# Altium PCB INCUBA 1.3.PcbDoc
Units mm, origin at the board's own origin, x right, y up, seen from the top; angles counter-clockwise.
Board outline 82 x 73 mm, 2 copper layers (Top Layer, Bottom Layer); 83 components, 59 nets, 248 pads, 20 vias.
Unrouted connection lines stored in the file: 2.
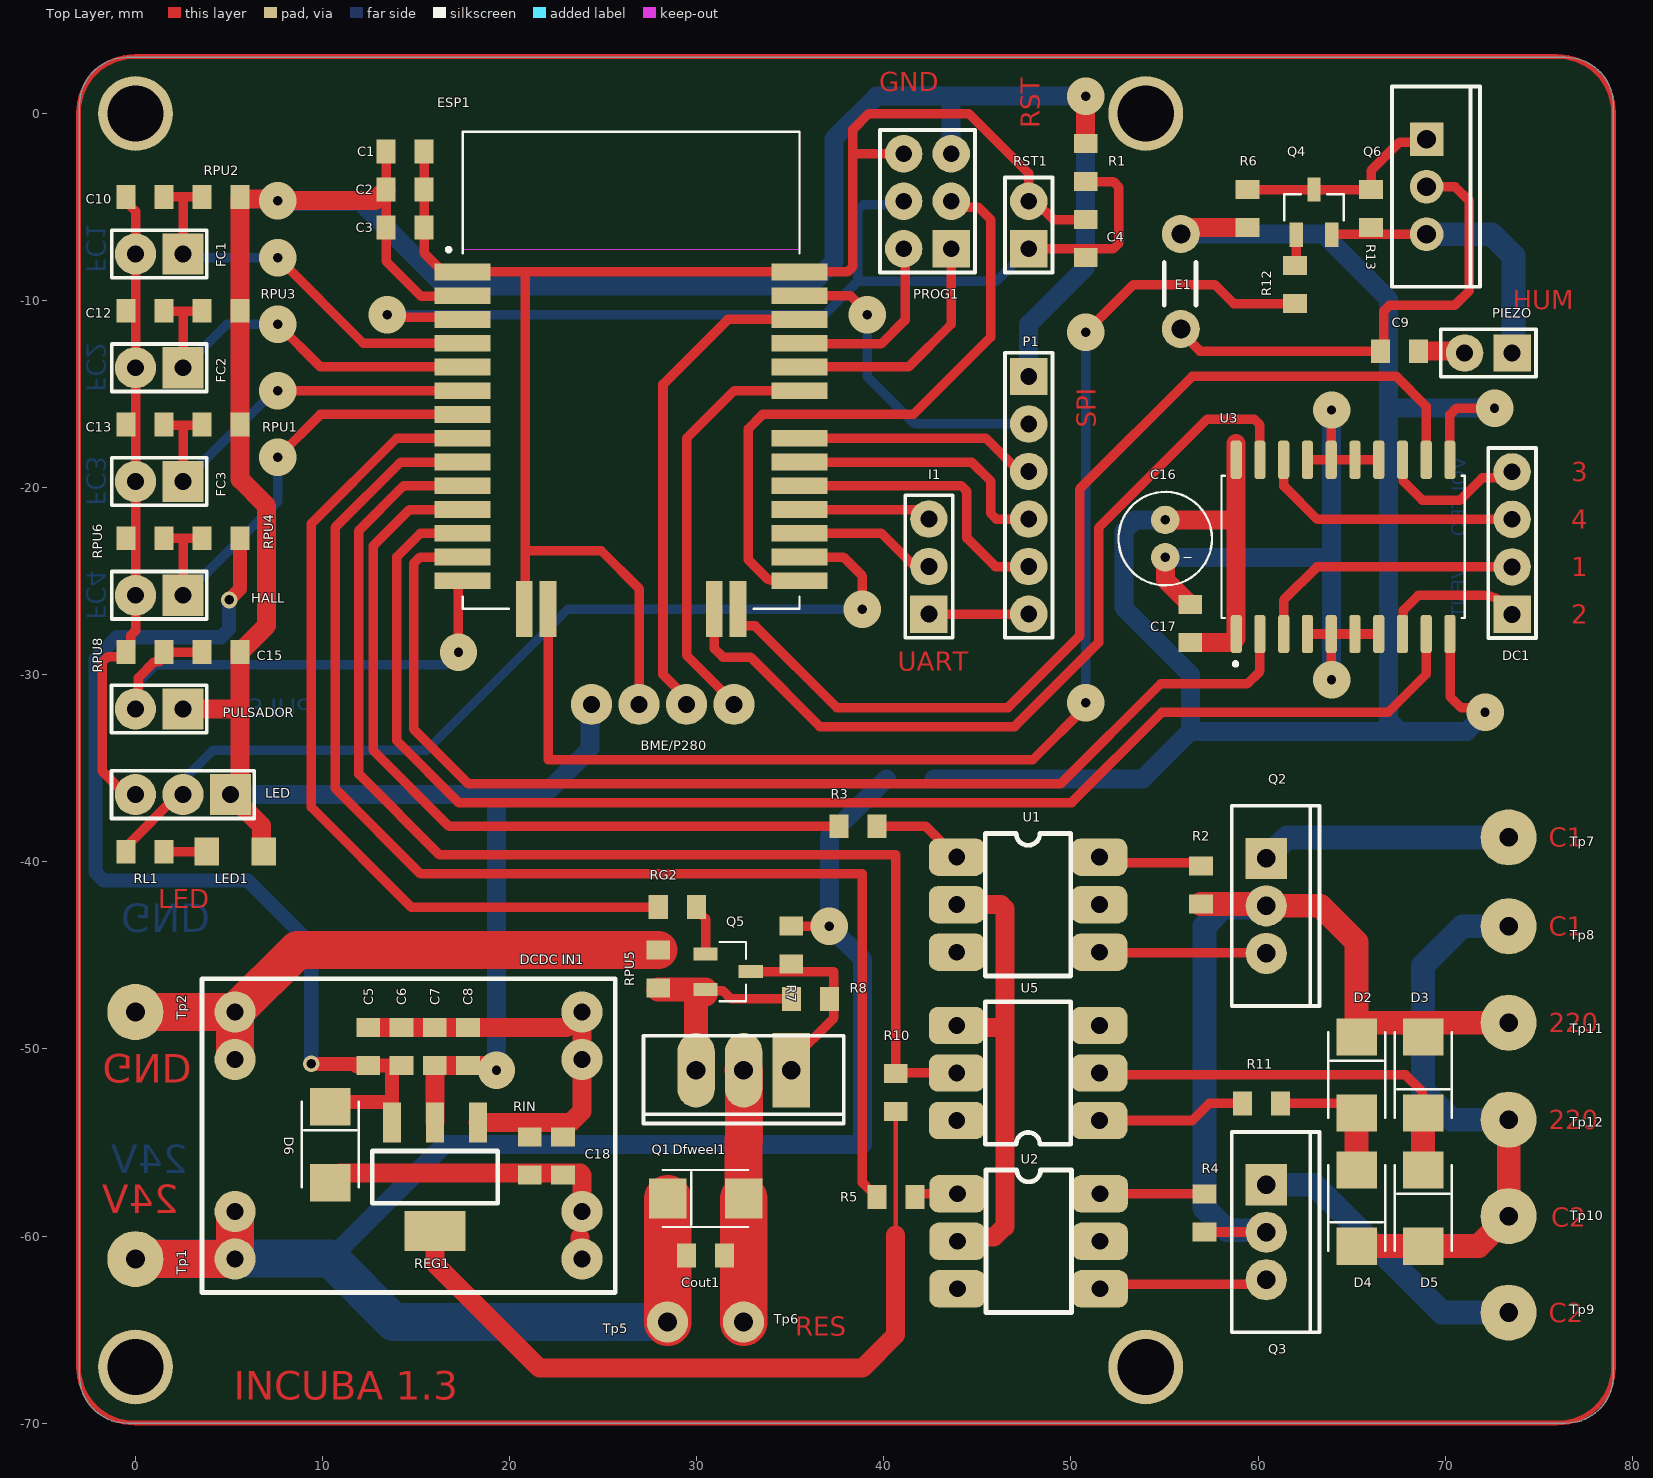
[diagram p0: Top Layer view]
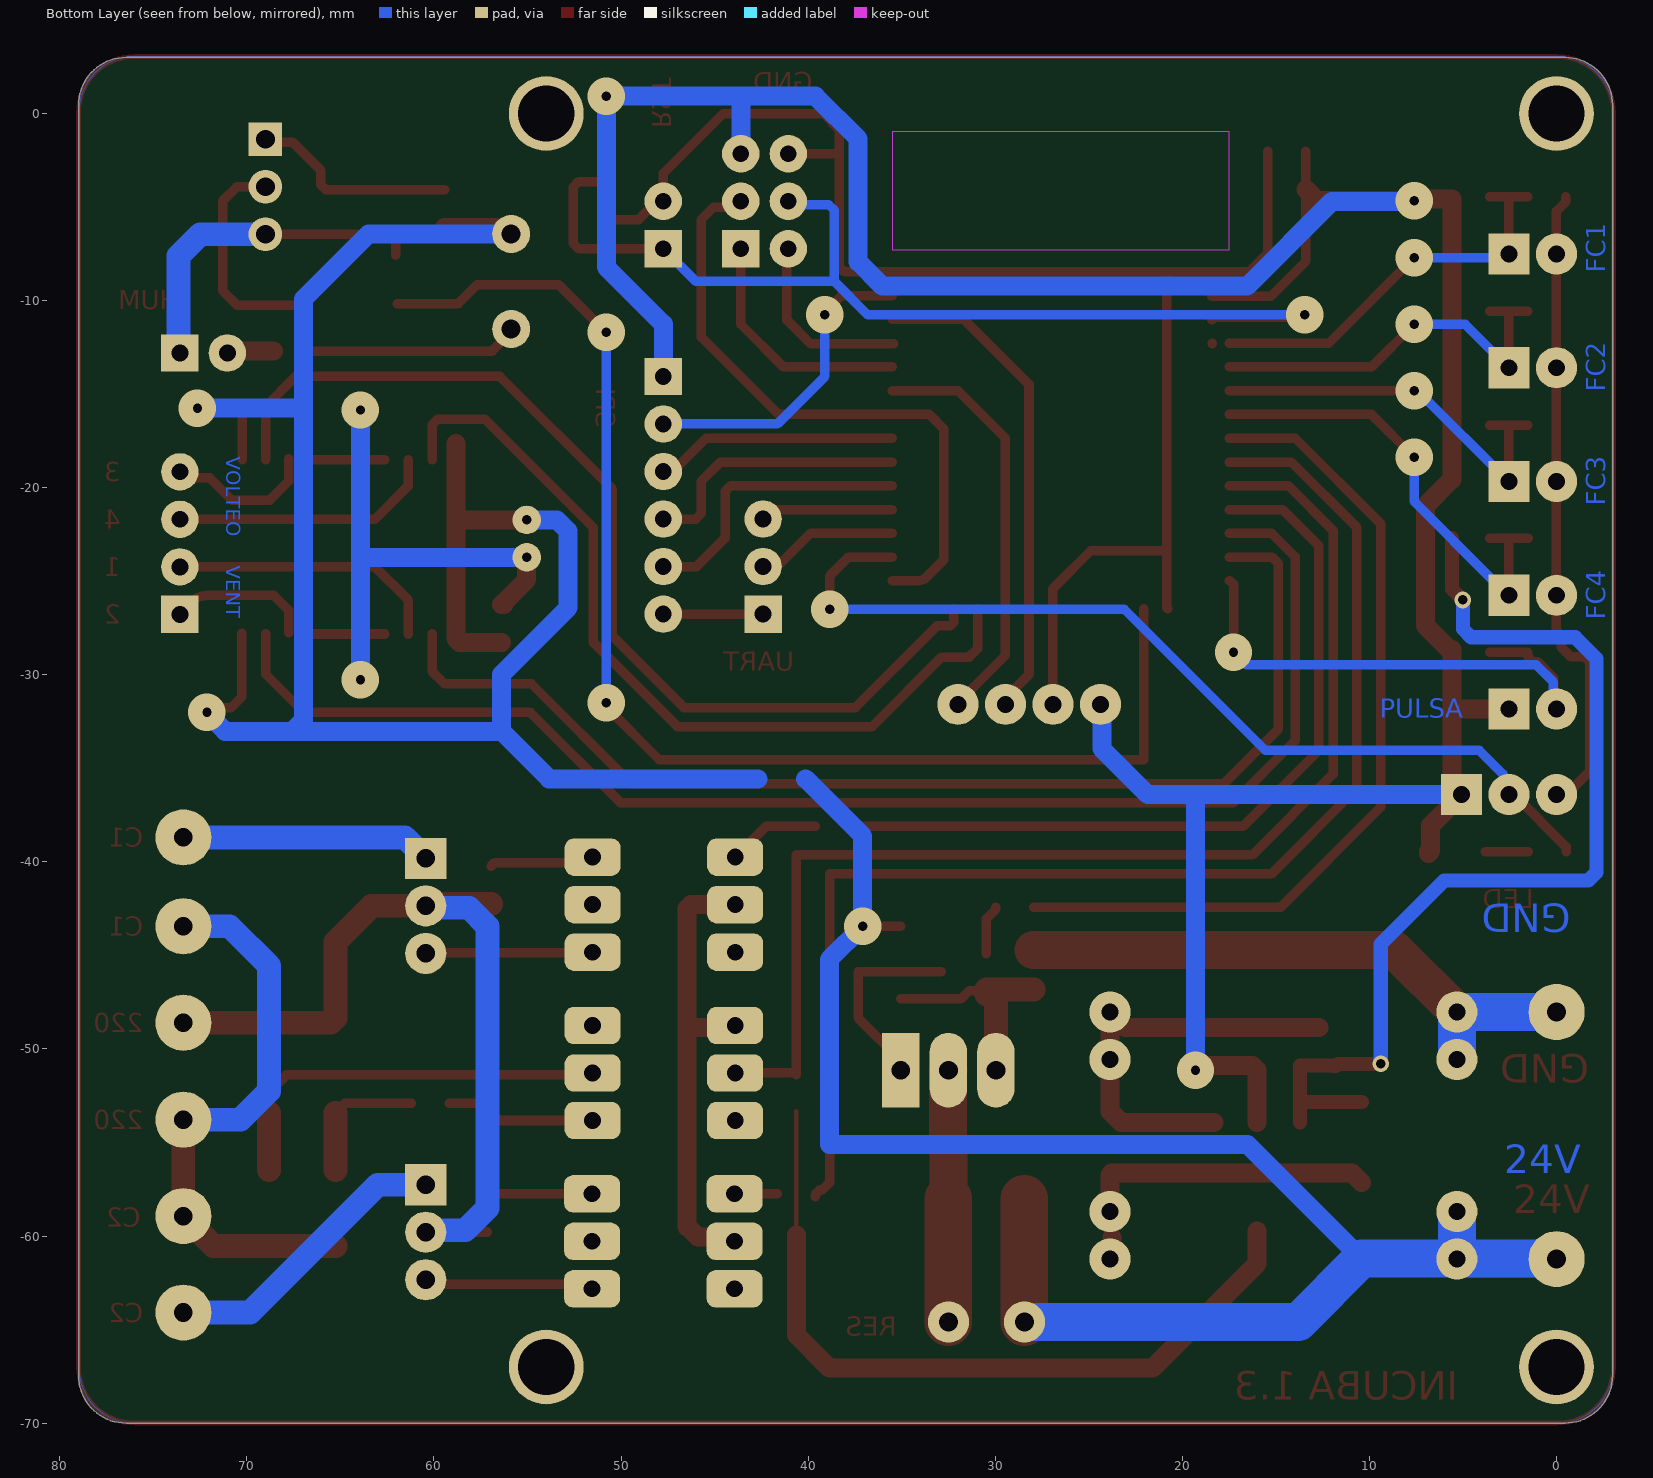
[diagram p1: Bottom Layer view, seen from below]
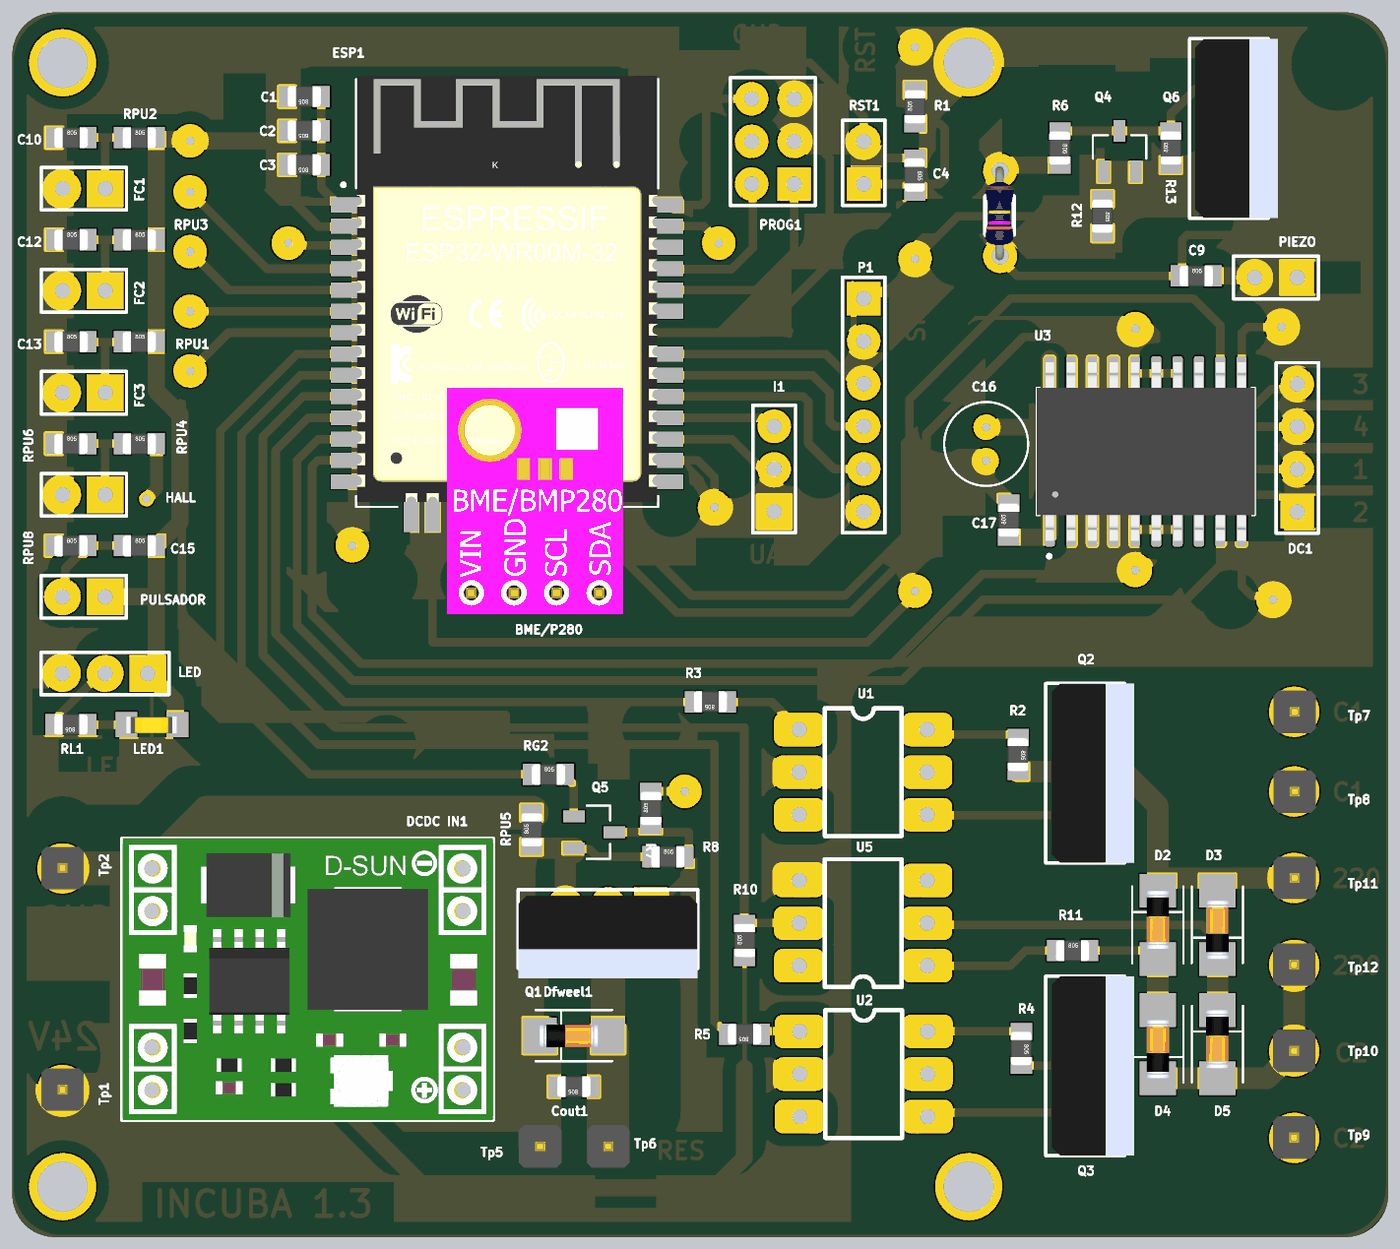
[diagram p2: 3D render of the assembled board from above, using the file's embedded part models]

## Layer stack, top to bottom
Top Solder: solder mask 0.0102, Solder Resist, Dk 3.5
Top Layer: signal copper 0.0356
Dielectric 1: dielectric 0.32, FR-4, Dk 4.8
Bottom Layer: signal copper 0.0356
Bottom Solder: solder mask 0.0102, Solder Resist, Dk 3.5

## Board outline
76.46,3 cw(c76.46,0.46) 79,0.46 79,-67.46 cw(c76.46,-67.46) 76.46,-70 -0.46,-70 cw(c-0.46,-67.46) -3,-67.46 -3,0.46 cw(c-0.46,0.46) -0.46,3

## Design rules (kind name [scope] priority, off if disabled: settings)
Clearance [All] p1: gap=0.254 ignorepadtopadclearanceinfootprint=FALSE except(0: Arc-Hole Track-Hole SMDPad-Hole THPad-Hole Via-Hole Fill-Hole Poly-Hole Region-Hole Text-Hole; 0.762: Arc-Fill Arc-Poly Arc-Region Track-Fill Track-Poly Track-Region SMDPad-Fill SMDPad-Poly SMDPad-Region THPad-Fill THPad-Poly THPad-Region Via-Fill Via-Poly Via-Region Fill-Fill Fill-Poly Fill-Region Poly-Poly Poly-Region Region-Region)
PolygonConnect [All] p1: connectstyle=Direct reliefconductorwidth=0.254 reliefentries=4 polygonreliefangle="90 Angle" airgapwidth=0.254
RoutingVias [All] p1: holewidth=0.508 width=0.889 viastyle="Through Hole" minholewidth=0.508 minwidth=0.889 maxholewidth=0.711 maxwidth=1.27
SolderMaskExpansion [All] p1: expansion=0.102 istentingtop=FALSE
Width [All] p1: maxlimit=2.54 minlimit=0.254 preferedwidth=0.508
30 further rules are at their usual default settings.

## Classes and differential pairs
component class Designator: D2 D3 D4 D5 Q2 Q3 R2 R3 R4 R5 R10 R11 Tp7 Tp8 Tp9 Tp10 Tp11 Tp12 U1 U2 U5
component class "INCUBA 1.3": BME/P280 C1 C2 C3 C4 C5 C6 C7 C8 C10 C12 C13 C15 C18 D6 "DCDC IN1" ESP1 FC1 FC2 FC3 Hall HALL I1 LED LED1 P1 PROG1 PULSADOR R1 REG1 RIN RL1 RPU1 RPU2 RPU3 RPU4 RPU5 RPU6 RPU8 RST1 Tp1 Tp2

## Components (designator, comment, footprint, x,y, rotation, side; value= is the part's Value field where it differs from the comment)
BME/P280 "BME 280" bme280 24.374,-31.58 r0 top
C1 "" 0805 15.42,-2.022 r180 top value=0.1uF
C2 "" 0805 15.42,-4.054 r180 top value=10uF
C3 "" 0805 15.42,-6.086 r180 top value=10uF
C4 "Capacitor" 0805 50.79,-5.672 r270 top value="1 uF"
C5 "Capacitor" 0805 12.436,-48.852 r270 top value=10uF
C6 "Capacitor" 0805 14.214,-48.852 r270 top value=0.1uF
C7 "Capacitor" 0805 15.992,-48.852 r270 top value=10uF
C8 "0.1uF" 0805 17.77,-48.852 r270 top
C9 "" 0805 66.548,-12.7 r0 top value=100nF
C10 "Capacitor" 0805 -0.508,-4.46 r0 top value=0.1uF
C12 "Capacitor" 0805 -0.508,-10.542 r0 top value=0.1uF
C13 "Capacitor" 0805 -0.508,-16.623 r0 top value=0.1uF
C15 "Capacitor" 0805 3.556,-28.786 r0 top value=0.1uF
C16 "Capacitor" cap100 55.041,-21.722 r180 top value="100uF 50V"
C17 "" 0805 56.378,-28.278 r90 top value=0.1uF
C18 "Capacitor" 0805 22.85,-54.694 r270 top value=10uF
Cout1 "Cout" 0805 31.486,-61.044 r180 top
D2 "Diode 1N4007" DO-214AC 65.268,-49.36 r270 top
D3 "Diode 1N4007" DO-214AC 68.824,-53.424 r90 top
D4 "Diode 1N4007" DO-214AC 65.268,-60.536 r90 top
D5 "Diode 1N4007" DO-214AC 68.824,-56.472 r270 top
D6 "Fs1m" DO-214AC 10.414,-53.086 r270 top
DC1 "Header 4" HDR1X4 73.583,-26.77 r90 top
"DCDC IN1" "MP1584" MP1584 5.324,-48.026 r0 top locked
Dfweel1 "Fs1m" DO-214AC 28.438,-57.996 r0 top
E1 "Inductor Iron" res200 55.87,-11.514 r180 top value=330uHy
ESP1 "esp32-wroom" "esp32-wroom - modificado - sinpad" 17.484,-8.466 r0 top
FC1 "Header 2" HDR1X2#1 2.54,-7.508 r180 top
FC2 "Header 2" HDR1X2#1 2.54,-13.59 r180 top
FC3 "Header 2" HDR1X2#1 2.54,-19.671 r180 top
HALL "Header 2" HDR1X2#1 2.54,-25.752 r180 top
I1 "Header 3" HDR1X3#1 42.408,-26.754 r90 top
LED "Header 3" HDR1X3#2 5.07,-36.406 r180 top
LED1 "LED_SMD" "0805 - led" 3.8,-39.454 r0 top
P1 "Header 6" HDR1X6 47.742,-14.054 r270 top
PIEZO "Header 2" HDR1X2#2 73.583,-12.8 r180 top
PROG1 "Header 3X2" HDR2X3 43.6,-7.228 r90 top
PULSADOR "Header 2" HDR1X2#1 2.53,-31.834 r180 top
Q1 "FQP50N06" TO-220#1 35.042,-51.138 r180 top
Q2 "BTA16" TO-220#2 60.44,-39.811 r270 top
Q3 "BTA16" TO-220#2 60.44,-57.256 r270 top
Q4 "NPN" SOT23-5_hall 62.042,-6.477 r90 top
Q5 "NPN" SOT23-5_hall 30.47,-44.92 r0 top
Q6 "IRFZ48N" TO-220#3 69.011,-1.37 r270 top
R1 "Resistencia" 0805 50.79,-3.64 r90 top value=10k
R2 "Resistencia" 0805 56.948,-40.224 r270 top value=1K
R3 "Resistencia" 0805 39.624,-38.1 r180 top value=220
R4 "Resistencia" 0805 57.14,-57.742 r270 top value=1K
R5 "Resistencia" 0805 41.656,-57.912 r180 top value=220
R6 "Resistencia" 0805 59.436,-4.064 r270 top value=15K
R7 "Resistencia" 0805 35.052,-45.466 r90 top value=15K
R8 "Resistencia" 0805 35.052,-47.328 r0 top value=10K
R10 "Resistencia" 0805 40.64,-53.34 r90 top value=220
R11 "Resistencia" 0805 59.172,-52.916 r0 top value=120K
R12 "Resistencia" 0805 61.976,-8.128 r270 top value=10K
R13 "Resistencia" 0805 66.04,-6.096 r90 top value=10k
REG1 "TLV1117-33" SOT-223-4 16.006,-53.932 r180 top
RG2 "RG" 0805 27.94,-42.418 r0 top value=10K
RIN "Resistencia" 0805 21.072,-54.694 r270 top value="4.7-10 K"
RL1 "Resistencia" 0805 1.514,-39.454 r180 top value=560
RPU1 "Resistencia" 0805 3.556,-16.623 r0 top value="4.7-10 K"
RPU2 "Resistencia" 0805 3.556,-4.46 r0 top value="4.7-10 K"
RPU3 "Resistencia" 0805 3.556,-10.542 r0 top value="4.7-10 K"
RPU4 "Resistencia" 0805 3.556,-22.704 r0 top value="4.7-10 K"
RPU5 "Resistencia" 0805 27.94,-46.736 r90 top value=0
RPU6 "Resistencia" 0805 -0.518,-22.704 r0 top value="4.7-10 K"
RPU8 "Resistencia" 0805 -0.518,-28.786 r0 top value="4.7-10 K"
RST1 "Header 2" HDR1X2#2 47.742,-7.228 r90 top
Tp1 "Testpoint" Testpoint#1 -0.01,-61.234 r90 top
Tp2 "Testpoint" Testpoint#1 -0.01,-48.026 r90 top
Tp5 "Testpoint" Testpoint#2 28.438,-64.6 r0 top
Tp6 "Testpoint" Testpoint#2 32.502,-64.6 r0 top
Tp7 "Testpoint" Testpoint#3 73.396,-38.692 r0 top
Tp8 "Testpoint" Testpoint#3 73.396,-43.442 r0 top
Tp9 "Testpoint" Testpoint#3 73.396,-64.092 r90 top
Tp10 "Testpoint" Testpoint#3 73.396,-58.936 r90 top
Tp11 "Testpoint" Testpoint#3 73.396,-48.598 r0 top
Tp12 "Testpoint" Testpoint#3 73.396,-53.78 r90 top
U1 "Triac Optoacoplado" DIP6 43.9,-39.748 r0 top
U2 "Triac Optoacoplado" DIP6 43.932,-57.742 r0 top
U3 "L293DD" SOIC127P1032X265-20N 64.546,-23.165 r90 top
U5 "4N25" DIP6 51.52,-53.825 r180 top

## Footprints (in the part's own frame and the unit in brackets; to place one, negate y for a bottom-side part, rotate by r counter-clockwise, add the part's x,y. Pads: shape width x height; smd on the part's side, far side on the other; paste and mask are expansions set on the pad)
0805 [mil]
  rect 40x50 smd: 1(0,0) 2(80,0)
  body extent 1,-25 79,24, height 31
"0805 - led" [mm] "Chip Resistor; Body 2.0 x 1.3 mm (LxW typ)"
  rect 1.3x1.5 smd: 1(0,0) 2(3.048,0)
  body extent 0,-0.52 3,0.47, height 2.02
bme280 [mm] "Sensor de Presion"
  round 2.2 hole 0.9: 1(0,0) 2(2.54,0) 3(5.08,0) 4(7.62,0)
  round 3.2 on Mech13: ""(1.016,9.652)
  body extent -1.46,-1.29 9.04,12.21, height 5.93
cap100 [mil] "capacitor tipo 10uF"
  round 60 hole 20: 1(0,78.74)
  round 60 hole 19.68: 2(0,0)
  silkscreen extent -98,-59 98,138
DIP6 [mm]
  rrect50% 3x2 hole 0.9: 1(0,0) 2(0,-2.54) 3(0,-5.08) 4(7.62,-5.08) 5(7.62,-2.54) 6(7.62,0)
  silkscreen extent 1.52,-6.35 6.1,1.27
DO-214AC [mil]
  rect 78.74x85 smd: 1(0,0) 2(160,0)
  silkscreen extent -10,-60 170,60, body extent 0,-29 137,28, height 59
"esp32-wroom - modificado - sinpad" [mm]
  rect 3x0.9 smd mask+0.05: 1(0,0) 2(0,-1.27) 3(0,-2.54) 4(0,-3.81) 5(0,-5.08) 6(0,-6.35) 7(0,-7.62) 8(0,-8.89) 9(0,-10.16) 10(0,-11.43) 11(0,-12.7) 12(0,-13.97) 13(0,-15.24) 14(0,-16.51) 25(18.016,-16.51) 26(18.016,-15.24) 27(18.016,-13.97) 28(18.016,-12.7) 29(18.016,-11.43) 30(18.016,-10.16) 31(18.016,-8.89) 33(18.016,-6.35) 34(18.016,-5.08) 35(18.016,-3.81) 36(18.016,-2.54) 37(18.016,-1.27) 38(18.016,0)
  rect 0.9x3 smd mask+0.05: 15(3.293,-18.01) 16(4.563,-18.01) 23(13.453,-18.01) 24(14.723,-18.01)
  Top Layer pour cut-out: -0.762,8.128 -0.75,8.116 -0.75,0.508 18.758,0.508 18.758,8.09 18.796,8.128
  Bottom Layer pour cut-out: -0.762,8.128 -0.75,8.116 -0.75,0.508 18.758,0.508 18.758,8.09 18.796,8.128
  Keep-Out Layer region: 18.008,1.19 0.008,1.19 0.008,7.49 18.008,7.49
  Keep-Out Layer region: 18.008,1.19 0.008,1.19 0.008,7.49 18.008,7.49
  silkscreen extent -0.85,-18.01 18.01,7.49, body extent 0.06,-17.7 17.96,7.7, height 2.61
HDR1X2#1 [mm] "Connector; Header; 2 Position"
  rect 2.2x2.2 hole 0.9: 1(0,0)
  round 2.2 hole 0.9: 2(2.54,0)
  silkscreen extent -1.27,-1.27 3.81,1.27
HDR1X2#2 [mm] "Connector; Header; 2 Position"
  rect 2x2 hole 0.9: 1(0,0)
  round 2 hole 0.9: 2(2.54,0)
  silkscreen extent -1.27,-1.27 3.81,1.27
HDR1X3#1 [mm] "Connector; Header; 3 Position"
  rect 2x2 hole 0.9: 1(0,0)
  round 2 hole 0.9: 2(2.54,0) 3(5.08,0)
  silkscreen extent -1.27,-1.27 6.35,1.27
HDR1X3#2 [mm] "Connector; Header; 3 Position"
  rect 2.2x2.2 hole 0.9: 1(0,0)
  round 2.2 hole 0.9: 2(2.54,0) 3(5.08,0)
  silkscreen extent -1.27,-1.27 6.35,1.27
HDR1X4 [mm] "Connector; Header; 4 Position"
  rect 2x2 hole 0.9: 1(0,0)
  round 2 hole 0.9: 2(2.54,0) 3(5.08,0) 4(7.62,0)
  silkscreen extent -1.27,-1.27 8.89,1.27
HDR1X6 [mm] "Connector; Header; 6 Position"
  rect 2x2 hole 0.9: 1(0,0)
  round 2 hole 0.9: 2(2.54,0) 3(5.08,0) 4(7.62,0) 5(10.16,0) 6(12.7,0)
  silkscreen extent -1.27,-1.27 13.97,1.27
HDR2X3 [mm] "Connector; Header; 3x2 Position"
  rect 2x2 hole 0.9: 1(0,0)
  round 2 hole 0.9: 2(0,2.54) 3(2.54,0) 4(2.54,2.54) 5(5.08,0) 6(5.08,2.54)
  silkscreen extent -1.27,-1.27 6.35,3.81
MP1584 [mm]
  round 2.2 hole 0.9: 1(0,-2.54) 1(0,0) 2(0,-13.208) 2(0,-10.668) 3(18.542,-13.208) 3(18.542,-10.668) 4(18.542,-2.54) 4(18.542,0)
  silkscreen extent -1.78,-14.99 20.32,1.78, body extent -1.76,-15 20.34,1.8, height 7.91
res200 [mil]
  round 80 hole 40: 1(0,0) 2(0,-200)
  silkscreen extent -32,-140 35,-50, body extent -32,-210 35,10, height 60
SOIC127P1032X265-20N [mm]
  rrect50% 2.05x0.6 smd: 1(-4.655,5.715) 2(-4.655,4.445) 3(-4.655,3.175) 4(-4.655,1.905) 5(-4.655,0.635) 6(-4.655,-0.635) 7(-4.655,-1.905) 8(-4.655,-3.175) 9(-4.655,-4.445) 10(-4.655,-5.715) 11(4.655,-5.715) 12(4.655,-4.445) 13(4.655,-3.175) 14(4.655,-1.905) 15(4.655,-0.635) 16(4.655,0.635) 17(4.655,1.905) 18(4.655,3.175) 19(4.655,4.445) 20(4.655,5.715)
  silkscreen extent -6.35,-6.5 3.8,6.5, body extent -5.32,-6.5 5.32,6.5, height 2.64
SOT23-5_hall [mm] "SOT23, 5-Leads, Body 2.9x1.6mm, Pitch 0.95mm, Lead Span 2.8mm, IPC Low Density"
  rect 1.3x0.7 smd: 1(0,0) 2(0,-1.9) 3(2.413,-0.95)
  silkscreen extent 0.76,-2.54 2.16,0.64, body extent 0.3,-2.5 2.1,0.6, height 1.45
SOT-223-4 [mm]
  rect 0.95x2.15 smd: 1(-2.3,0) 2(0,0) 3(2.3,0)
  rect 3.25x2.15 smd: 2(0,5.8)
  silkscreen extent -3.35,1.52 3.35,4.32, body extent -3.3,-0.78 3.2,6.18, height 1.65
Testpoint#1 [mm]
  round 3 hole 1.016: 1(0,0)
  body extent -1.24,-1.27 1.3,1.27, height 5.96
Testpoint#2 [mm]
  round 2.2 hole 1: 1(0,0)
  body extent -1.24,-1.27 1.3,1.27, height 5.96
Testpoint#3 [mm]
  round 3 hole 1: 1(0,0)
  body extent -1.24,-1.27 1.3,1.27, height 5.96
TO-220#1 [mm] "TO, Thru-Hole, Vertical, Heatsink Mounted; 3 In-Line Leads; Pitch 2.54 mm"
  rect 2x4 hole 1: 1(0,0)
  oval 2x4 hole 1: 2(2.54,0) 3(5.08,0)
  silkscreen extent -2.81,-1.85 7.89,2.85, body extent -2.8,-1.5 7.88,3.43, height 22.86
TO-220#2 [mm] "TO, Thru-Hole, Vertical, Heatsink Mounted; 3 In-Line Leads; Pitch 2.54 mm"
  rect 2.2x2.2 hole 1: 1(0,0)
  round 2.2 hole 1: 2(2.54,0) 3(5.08,0)
  silkscreen extent -2.81,-1.85 7.89,2.85, body extent -2.8,-1.5 7.88,3.43, height 22.86
TO-220#3 [mm] "TO, Thru-Hole, Vertical, Heatsink Mounted; 3 In-Line Leads; Pitch 2.54 mm"
  rect 1.8x1.8 hole 1: 1(0,0)
  round 1.8 hole 1: 2(2.54,0) 3(5.08,0)
  silkscreen extent -2.81,-1.85 7.89,2.85, body extent -2.8,-1.5 7.88,3.43, height 22.86

## Part data
C1 C2 C3 C9 C17: library part "Cap SMD", "Capacitor", LatestRevisionDate=29-May-2009, LatestRevisionNote="IPC-7351 Footprint Added.", PackageDescription="Chip Capacitor", PackageReference=C0805, Published=8-Jun-2000, Publisher="Altium Limited"
C7: "100UFX6.3V 10%. B=3528 (1210) TAN.SMD AVX Codigo Elemon CA3388050"
C8 Cout1: library part Capacitor, "Capacitor"
C16: library part Capacitor_Polarizado, "Capacitor Polarizado"
D2 D3 D4 D5: "1 Amp General Purpose Rectifier", Code_JEDEC=DO-204-AL, ComponentLink1Description="Manufacturer Link", ComponentLink1URL=http://www.fairchildsemi.com/, ComponentLink2Description=Datasheet, ComponentLink2URL=http://www.fairchildsemi.com/ds/1N%2F1N4001.pdf, DatasheetVersion=1998, LatestRevisionDate=17-Jul-2002, LatestRevisionNote="Re-released for DXP Platform.", PackageDescription="Diode, Axial; Body 5.2 x 2.7 mm (LxDia. max), Lead Dia. 0.86 mm (max)", PackageReference=DO-41, PackageVersion=Aug-1999, Published=8-Jun-2000, Publisher="Altium Limited"
D6 Dfweel1: library part Diodo, "DSK14 , US1M. Fs1m", PackageDocument=Sep-1996, Code_JEDEC=DO-214-AB, LatestRevisionDate=17-Jul-2002, LatestRevisionNote="Re-released for DXP Platform.", PackageReference=SMC, Published=8-Jun-2000, Publisher="Altium Limited"
DC1: "Header, 4-Pin", LatestRevisionDate=17-Jul-2002, LatestRevisionNote="Re-released for DXP Platform.", Publisher="Altium Limited"
E1: "Magnetic-Core Inductor", LatestRevisionDate=17-Jul-2002, LatestRevisionNote="Re-released for DXP Platform.", PackageReference=AXIAL-0.9, Published=24-Mar-1999, Publisher="Altium Limited"
FC1 FC2 FC3 HALL PIEZO PULSADOR RST1: "Header, 2-Pin", LatestRevisionDate=17-Jul-2002, LatestRevisionNote="Re-released for DXP Platform.", Publisher="Altium Limited"
I1 LED: "Header, 3-Pin", LatestRevisionDate=17-Jul-2002, LatestRevisionNote="Re-released for DXP Platform.", Publisher="Altium Limited"
LED1: "Luminic signal diode", PackageDocument=Sep-1996, Code_JEDEC=DO-214-AB, LatestRevisionDate=17-Jul-2002, LatestRevisionNote="Re-released for DXP Platform.", PackageReference=SMC, Published=8-Jun-2000, Publisher="Altium Limited"
P1: "Header, 6-Pin", LatestRevisionDate=17-Jul-2002, LatestRevisionNote="Re-released for DXP Platform.", Publisher="Altium Limited"
PROG1: "Header, 3-Pin, Dual row", LatestRevisionDate=17-Jul-2002, LatestRevisionNote="Re-released for DXP Platform.", Publisher="Altium Limited", System=Connector
Q1: library part IRFZ48N, "IRLZ44", ComponentLink1Description="Manufacturer Link", ComponentLink1URL=http://www.irf.com/, DatasheetVersion=PD-9.814, LatestRevisionDate=17-Jul-2002, LatestRevisionNote="Re-released for DXP Platform.", Note="Pin 2 is electrically connected to pin 4.", PackageDescription="TO, Thru-Hole, Vertical, Heatsink Mounted; 3 In-Line Leads; Pitch 2.54 mm", PackageReference=TO-220AB, PackageVersion=Feb-1997, Published=8-Jun-2000, Publisher="Altium Limited"
Q2 Q3: library part BTA41600B, "Triac (40 Amps 600V)"
Q4 Q5: library part GMBT2222A
Q6: "IRLZ44", ComponentLink1Description="Manufacturer Link", ComponentLink1URL=http://www.irf.com/, DatasheetVersion=PD-9.814, LatestRevisionDate=17-Jul-2002, LatestRevisionNote="Re-released for DXP Platform.", Note="Pin 2 is electrically connected to pin 4.", PackageDescription="TO, Thru-Hole, Vertical, Heatsink Mounted; 3 In-Line Leads; Pitch 2.54 mm", PackageReference=TO-220AB, PackageVersion=Feb-1997, Published=8-Jun-2000, Publisher="Altium Limited"
R1 R2 R3 R4 R5 R6 R7 R8 R10 R11 R12 R13 RIN RL1 RPU1 RPU2 RPU3 RPU4 RPU5 RPU6 RPU8: "Resistencia  de con varios Footprint"
RG2: library part Resistencia, "Resistencia  de con varios Footprint"
Tp1 Tp2 Tp5 Tp6 Tp7 Tp8 Tp9 Tp10 Tp11 Tp12: "Tespoint"
U1 U2: library part MOC3040
U5: "5 Pin Mini Flat Pack Optocoupler", DatasheetVersion=Apr-2004, LatestRevisionDate=04-Mar-2005, LatestRevisionNote="PCB Footprint replaced, Sch pins re-numbered.", PackageDescription="Small Outline; 6 Leads (1 Absent); Body Width 4.4 mm; Pitch 1.27 mm", PackageReference=SOP5(6), Published=24-Mar-1999, Publisher="Altium Limited"

## Free pads (board coordinates)
  round 4 hole 3: 2(54,0) 3(0,0) 4(0,-67) 5(54,-67)

## Via types
v1: diameter 2, hole 0.5, Top Layer to Bottom Layer, 18 vias
v2: diameter 0.889, hole 0.508, Top Layer to Bottom Layer, 2 vias

## Nets (pads, with @x,y where several pads share a name; then routed paths per layer and width w, separated by ;. In a path a pad name is that pad's centre, name@x,y a point inside that pad or via, vN(x,y) a via of type N, cw(c..) or ccw(c..) an arc to the next point about the centre after c; other vN are vias at no path point)
24V: "DCDC IN1.2" C16.2 C17.1 Cout1.2 Dfweel1.1 E1.2 R6.2 R7.2 Tp1.1 Tp5.1 U3.1 U3.10 U3.11 U3.20 | length 220.1
  Top Layer w0.508: R7.2 v1(37.084,-43.434) ; C16.2@55.009,-21.69 cw(c55.009,-21.722) C16.2 ; U3.11 70.261,-16.099 70.612,-15.748 v1(72.644,-15.748) ; U3.10@70.271,-27.778 70.271,-31.175 70.857,-31.761 71.893,-31.761 v1(72.136,-32.004)
  Top Layer w1.016: C16.2 58.831,-21.722 ; E1.2 55.87,-6.106 55.88,-6.096 R6.2 ; C17.1 58.623,-28.278 58.831,-28.07 U3.1 58.831,-21.722 ; U3.20@58.831,-17.626 U3.20 58.831,-21.722
  Top Layer w2.032: Tp1.1 5.324,-61.234 5.324,-58.694
  Top Layer w2.54: Tp5.1 Dfweel1.1
  Bottom Layer w1.016: 10.414,-61.214 16.51,-55.118 38.862,-55.118 38.862,-45.212 v1(37.084,-43.434) ; v1@37.084,-43.688 37.084,-38.608 40.132,-35.56 ; 42.672,-35.56 53.848,-35.56 56.388,-33.02 ; C16.2 53.427,-21.722 52.832,-22.317 52.832,-26.416 56.388,-29.972 56.388,-33.02 ; E1.2 63.49,-6.434 66.979,-9.923 66.979,-15.825 ; v1(72.136,-32.004) 72.136,-32.044 71.16,-33.02 67.564,-33.02 ; v1(72.644,-15.748) 67.056,-15.748 66.979,-15.825 ; 56.388,-33.02 67.564,-33.02 ; 66.979,-15.825 66.979,-32.435 67.564,-33.02
  Bottom Layer w2.032: Tp1.1 0.01,-61.214 5.324,-61.214 ; 5.324,-58.694 5.324,-61.214 ; Tp5.1 13.8,-64.6 10.414,-61.214 5.324,-61.214
220VAC: D2.1 D3.2 Q2.2 Q3.2 R2.2 R4.2 Tp11.1 | length 47.4
  Top Layer w0.508: R4.2 57.151,-59.785 60.429,-59.785 Q3.2
  Top Layer w1.27: R2.2 60.345,-42.256 Q2.2 63.339,-42.351 65.268,-44.28 65.268,-48.344 65.522,-48.598 Tp11.1
  Bottom Layer w1.27: Q3.2 60.339,-59.695 58.331,-59.695 57.14,-58.504 57.14,-55.716 57.14,-43.444 58.132,-42.452 60.339,-42.452 Q2.2
+3.3V: BME/P280.1 C1.2 C2.2 C3.2 C7.2 C8.2 C15.2 ESP1.2 LED1.2 LED.1 P1.1 PROG1.5 PULSADOR.1 R1.2 R10.1 REG1.2 RPU1.2 RPU2.2 RPU3.2 | length 218.8
  Top Layer w0.254: 40.64,-59.934 R10.1
  Top Layer w0.508: C1.2 C2.2 C3.2 13.388,-7.894 15.262,-9.768 ESP1.2@18.424,-9.768
  Top Layer w1.016: PULSADOR.1@2.54,-31.834 5.404,-31.834 5.588,-31.65 ; LED.1 5.197,-36.533 LED.1@5.312,-36.648 ; LED.1@5.588,-36.396 5.324,-36.66 LED.1@5.312,-36.648 ; LED.1@5.588,-35.634 5.588,-31.65 ; LED1.2 6.848,-39.554 6.721,-39.427 6.721,-38.057 LED.1@5.312,-36.648 ; C2.2 12.786,-4.656 8.118,-4.656 8.02,-4.558 5.588,-4.558 RPU3.2 RPU1.2 5.588,-19.558 7,-20.97 7,-27.374 5.715,-28.659 5.588,-28.659 5.588,-31.65 ; REG1.2@16.006,-59.732 16.006,-61.472 21.59,-67.056 38.862,-67.056 40.63,-65.288 40.63,-59.944 ; REG1.2@16.006,-53.932 16.006,-51.134 16.256,-50.884 C8.2 18.834,-50.884 19.088,-51.138 v1(19.294,-51.138) ; R1.2 v1(50.79,0.932)
  Bottom Layer w1.016: LED.1 19.299,-36.406 ; v1@8.118,-4.656 8.158,-4.696 11.998,-4.696 16.53,-9.228 36.026,-9.228 37.328,-7.926 37.328,-1.354 39.614,0.932 43.678,0.932 ; v1(19.294,-51.138) 19.299,-51.133 19.299,-36.406 ; BME/P280.1 24.302,-31.652 24.302,-33.943 21.839,-36.406 19.299,-36.406 ; PROG1.5 43.6,0.854 43.678,0.932 ; P1.1 47.742,-11.26 50.79,-8.212 v1(50.79,0.932) ; v1@50.438,0.932 43.678,0.932
  other v1: 7.599,-4.656
+5V: C5.2 C6.2 D6.1 REG1.3 RPU4.2 | length 55.6
  Top Layer w0.762: v2(5,-26) 5.588,-25.412 RPU4.2 ; v2(9.398,-50.8) 11.679,-50.8 11.778,-50.899 C5.2@11.928,-50.899 ; D6.1@10.414,-52.832 13.706,-52.832 REG1.3 13.706,-50.884 C5.2@11.928,-50.884
  Bottom Layer w0.762: v2(5,-26) 5,-27.554 4.554,-28 -1,-28 -2.145,-29.145 -2.145,-40.554 -1.699,-41 6,-41 9.398,-44.398 v2(9.398,-50.8)
AC_GND: D4.1 D5.2 Tp8.1 Tp10.1 Tp12.1 | length 31.3
  Top Layer w1.27: D4.1 D5.2 71.796,-60.536 Tp10.1 Tp12.1
  Bottom Layer w1.27: Tp12.1 70.348,-53.78 68.824,-52.256 68.824,-45.55 70.932,-43.442 Tp8.1
CARGA1: Q2.1 Tp7.1 | length 13.4
  Bottom Layer w1.27: Q2.1@60.41,-39.708 Q2.1@60.44,-39.708 ; Q2.1 61.559,-38.692 Tp7.1
CARGA2: Q3.1 Tp9.1 | length 15.8
  Bottom Layer w1.27: Q3.1 63.004,-57.256 69.84,-64.092 Tp9.1
CE: ESP1.29 P1.5 | length 15.5
  Top Layer w0.508: ESP1.29 44.142,-19.896 44.44,-20.194 44.44,-22.69 45.964,-24.214 P1.5
CLK: ESP1.30 P1.4 | length 14.5
  Top Layer w0.508: ESP1.30 44.694,-18.626 45.71,-19.642 45.71,-21.376 46.008,-21.674 P1.4
DCVentilador1: ESP1.24 U3.12 | length 54.8
  Top Layer w0.508: ESP1.24 32.207,-27.194 32.403,-27.39 33.121,-27.39 37.481,-31.75 46.639,-31.75 50.462,-27.927 50.462,-20.078 56.486,-14.054 67.394,-14.054 68.991,-15.651 U3.12
DCVentilador2: ESP1.23 U3.19 | length 45.4
  Top Layer w0.508: ESP1.23 30.937,-28.6 31.395,-29.057 32.867,-29.057 36.576,-32.766 46.99,-32.766 51.478,-28.278 51.478,-22.14 57.278,-16.34 59.804,-16.34 60.101,-16.638 U3.19
DCvolteo1: ESP1.12 U3.9 | length 75.3
  Top Layer w0.508: ESP1.12 15.222,-22.436 13.97,-23.688 13.97,-33.528 17.272,-36.83 50.038,-36.83 54.864,-32.004 66.959,-32.004 68.991,-29.972 U3.9
DCvolteo2: ESP1.13 U3.2 | length 62.5
  Top Layer w0.508: ESP1.13 15.206,-23.706 14.865,-24.047 14.865,-32.899 17.78,-35.814 49.468,-35.814 54.802,-30.48 59.436,-30.48 60.101,-29.815 U3.2
DTR: ESP1.25 PROG1.3 | length 34.3
  Top Layer w0.508: ESP1.25 34.28,-24.976 cw(c34.28,-23.452) 33.798,-24.898 32.756,-23.856 32.756,-16.848 33.518,-16.086 41.572,-16.086 45.71,-11.948 45.71,-5.672 45.042,-5.004 44.363,-5.004 43.886,-4.527 43.886,-4.402 PROG1.3
EN: C4.2 ESP1.3 PROG1.4 R1.1 RST1.1 | length 56.9
  Top Layer w0.508: v1(13.452,-10.752) 13.579,-10.879 18.265,-10.879 ESP1.3@18.415,-11.029 ; RST1.1@47.996,-7.228 52.27,-7.228 52.568,-6.93 52.568,-3.938 52.27,-3.64 R1.1
  Bottom Layer w0.508: v1(13.452,-10.752) 36.82,-10.752 38.598,-8.974 ; PROG1.4 40.874,-4.874 38.896,-4.874 38.598,-5.171 38.598,-8.974 ; RST1.1 45.996,-8.974 38.598,-8.974
FCARRERA1: C10.2 ESP1.4 FC1.1 RPU2.1 | length 22
  Top Layer w0.508: C10.2 2.53,-4.46 ; FC1.1 2.54,-4.47 2.53,-4.46 ; RPU2.1 2.53,-4.46 ; v1(7.599,-7.704) 12.171,-12.276 ESP1.4 ; ESP1.4@18.392,-12.276 ESP1.4@18.408,-12.292
  Bottom Layer w0.508: FC1.1 2.736,-7.704 v1(7.599,-7.704)
FCARRERA2: C12.2 ESP1.5 FC2.1 RPU3.1 | length 21.9
  Top Layer w0.508: C12.2@1.524,-10.556 2.53,-10.556 ; FC2.1@2.54,-13.604 2.54,-10.566 2.53,-10.556 ; RPU3.1@3.556,-10.556 2.53,-10.556 ; v1(7.599,-11.26) 9.885,-13.546 ESP1.5
  Bottom Layer w0.508: FC2.1 3.365,-12.764 3.38,-12.764 4.884,-11.26 v1(7.599,-11.26)
FCARRERA3: C13.2 ESP1.6 FC3.1 RPU1.1 | length 21.7
  Top Layer w0.508: C13.2@1.524,-16.652 2.53,-16.652 ; FC3.1@2.54,-19.7 2.54,-16.662 2.53,-16.652 ; RPU1.1@3.556,-16.652 2.53,-16.652 ; v1@7.952,-14.816 ESP1.6
  Bottom Layer w0.508: FC3.1@2.54,-19.7 7.424,-14.816 v1(7.599,-14.816)
GND: "DCDC IN1.4" BME/P280.2 C1.1 C2.1 C3.1 C4.1 C5.1 C6.1 C7.1 C8.1 C10.1 C12.1 C13.1 C16.1 C17.2 C18.1 ESP1.1 ESP1.15 ESP1.38 FC1.2 FC2.2 FC3.2 HALL.2 I1.1 LED.3 P1.6 PIEZO.1 PROG1.6 Q4.2 Q6.3 R13.1 REG1.1 RIN.1 RPU6.1 RPU8.1 RST1.2 U1.2 U2.2 U3.4 U3.5 U3.6 U3.7 U3.14 U3.15 U3.16 U3.17 U5.4 | length 227.8
  Top Layer w0.508: -1.788,-35.136 LED.3@-0.01,-36.914 ; -1.778,-35.052 -1.778,-29.326 -1.48,-29.028 -0.76,-29.028 RPU8.1 ; RPU8.1@-0.508,-28.786 -0.254,-28.532 -0.254,-27.891 0,-27.637 HALL.2 FC3.2 FC2.2 FC1.2 0,-5.222 -0.508,-4.714 C10.1 ; C1.1 C2.1 C3.1 15.42,-7.452 16.434,-8.466 ESP1.1 20.828,-8.466 ; ESP1.15 20.828,-26.425 20.828,-23.368 ; BME/P280.2 26.914,-25.39 24.892,-23.368 20.828,-23.368 ; PROG1.6 38.344,-2.148 ; I1.1@42.311,-26.754 P1.6 ; C4.1@50.536,-5.672 49.063,-5.672 48.079,-4.688 RST1.2 47.742,-3.202 44.54,0 39.19,0 38.344,-0.846 38.344,-2.148 ; U3.4 U3.5 ; U3.17 U3.16 ; v1@63.921,-15.858 63.921,-18.5 U3.16 ; v1(63.931,-30.259) 63.921,-30.249 63.921,-27.829 U3.5 ; Q4.2@64.123,-6.45 Q6.3 ; U3.7 U3.6 U3.5 ; U3.14 U3.15 U3.16 ; 20.828,-23.368 20.828,-8.466 ; 20.828,-8.466 ESP1.38 38.046,-8.466 38.344,-8.168 38.344,-2.148
  Top Layer w1.016: C5.1@12.69,-48.852 14.849,-48.852 23.041,-48.852 23.866,-48.026 23.866,-50.566 23.866,-53.337 23.271,-53.932 21.834,-53.932 REG1.1 ; U5.4@43.816,-48.852 46.472,-48.852 ; U1.2 46.258,-42.288 46.472,-42.502 46.472,-48.852 ; U2.2@43.958,-60.282 44.175,-60.065 45.877,-60.065 46.472,-59.47 ; 46.472,-59.52 46.472,-59.47 ; C16.1 55.048,-23.729 55.048,-24.916 56.251,-26.119 56.251,-26.246 C17.2 ; 46.472,-59.47 46.472,-48.852
  Bottom Layer w1.016: C16.1 63.931,-23.722 ; v1(63.931,-30.259) 63.931,-23.722 ; v1(63.931,-15.848) 63.931,-23.722
  Bottom Layer w1.27: Q6.3 72.49,-6.45 73.66,-7.62 PIEZO.1@73.66,-12.685
HALL: ESP1.7 HALL.1 RPU4.1 RPU6.2 | length 25
  Top Layer w0.508: RPU6.2 2.54,-22.704 ; HALL.1@2.54,-25.288 2.54,-22.704 ; RPU4.1 2.54,-22.704 ; v1(7.599,-18.372) 9.885,-16.086 ESP1.7
  Bottom Layer w0.508: HALL.1@2.54,-25.796 HALL.1 3.365,-24.927 3.409,-24.927 7.599,-20.737 v1(7.599,-18.372)
LED: ESP1.26 LED.2 RL1.2 | length 50.3
  Top Layer w0.508: RL1.2 -0.518,-39.2 LED.2@2.276,-36.406 ; LED.2@2.276,-36.914 LED.2@2.53,-36.914 ; ESP1.26 37.836,-23.706 38.852,-24.722 v1(38.852,-26.5)
  Bottom Layer w0.508: LED.2@2.53,-35.644 2.834,-35.644 2.854,-35.624 2.854,-35.32 4.138,-34.036 15.568,-34.036 23.104,-26.5 v1(38.852,-26.5)
MISO: ESP1.31 P1.3 | length 12.7
  Top Layer w0.508: ESP1.31 45.456,-17.356 P1.3@47.426,-19.326
MOSI: ESP1.37 P1.2 | length 17.1
  Top Layer w0.508: ESP1.37 38.208,-9.736 39.106,-10.634 v1(39.106,-10.752)
  Bottom Layer w0.508: v1(39.106,-10.752) 39.106,-14.054 41.646,-16.594 P1.2
NetC9_1: C9.1 E1.1 Q6.2 | length 25.7
  Top Layer w0.508: E1.1@55.992,-11.796 56.896,-12.7 66.725,-12.7 66.725,-10.558 67.022,-10.26 70.512,-10.26 71.297,-9.475 71.297,-4.672 70.535,-3.91 Q6.2
NetC9_2: C9.2 PIEZO.2 | length 2.6
  Top Layer w1.016: C9.2 70.812,-12.7 70.819,-12.707 71.201,-12.707 PIEZO.2@71.209,-12.7
NetC18_2: "DCDC IN1.3" C18.2 D6.2 RIN.2 | length 18.2
  Top Layer w0.508: 23.866,-60.082 23.866,-58.694
  Top Layer w1.016: D6.2 10.922,-56.642 23.782,-56.642 23.866,-56.726 23.866,-58.694 ; 23.769,-60.082 23.769,-61.137 23.866,-61.234
NetCout1_1: Cout1.1 Dfweel1.2 Q1.2 Tp6.1 | length 13.5
  Top Layer w2.032: Dfweel1.2 32.502,-57.14 32.502,-54.854 32.518,-54.87 32.518,-51.154 Q1.2
  Top Layer w2.54: Tp6.1 Dfweel1.2
NetD2_2: D2.2 D4.2 R11.2 | length 7.3
  Top Layer w0.508: R11.2 64.76,-52.916 D2.2
  Top Layer w1.27: D4.2 D2.2
NetD3_1: D3.1 D5.1 U5.2 | length 21.9
  Top Layer w0.508: U5.2 51.627,-51.392 67.888,-51.392 68.76,-52.265 cw(c67.554,-52.662) 68.824,-52.662 D3.1
  Top Layer w1.27: D5.1 D3.1
"NetDCDC IN1_1": "DCDC IN1.1" RPU5.2 Tp2.1 | length 39.7
  Top Layer w2.032: Tp2.1 5.324,-48.026 ; 5.324,-50.566 5.324,-48.026 ; RPU5.2 8.646,-44.704 5.324,-48.026
  Bottom Layer w2.032: Tp2.1 5.324,-48.026 5.324,-50.566
NetLED1_1: LED1.1 RL1.1 | length 2.3
  Top Layer w0.508: RL1.1 LED1.1
NetQ1_1: Q1.1 Q5.3 R7.1 R8.2 | length 10.2
  Top Layer w0.508: Q5.3 37.328,-45.87 37.328,-46.82 37.328,-48.344 Q1.1@35.042,-50.63
NetQ2_3: Q2.3 U1.4 | length 8.9
  Top Layer w0.508: U1.4 51.552,-44.859 60.408,-44.859 Q2.3
NetQ3_3: Q3.3 U2.4 | length 9.1
  Top Layer w0.508: U2.4 51.795,-62.579 60.197,-62.579 Q3.3
NetQ4_1: Q4.1 R12.1 | length 1.1
  Top Layer w0.508: 62.042,-7.565 Q4.1
NetQ4_3: Q4.3 Q6.1 R6.1 R13.2 | length 10.9
  Top Layer w0.508: R6.1 Q4.3 65.786,-4.064 66.04,-3.81 66.04,-3.048 67.564,-1.524 Q6.1@68.857,-1.524
NetQ5_1: Q5.1 RG2.2 | length 2.7
  Top Layer w0.508: RG2.2 29.972,-42.545 30.47,-43.043 Q5.1
NetR2_1: R2.1 U1.6 | length 5.6
  Top Layer w0.508: U1.6 51.806,-40.034 56.758,-40.034 R2.1
NetR3_1: R3.1 U1.1 | length 5
  Top Layer w0.508: R3.1 42.252,-38.1 U1.1
NetR4_1: R4.1 U2.6 | length 5.6
  Top Layer w0.508: U2.6 R4.1
NetR5_1: R5.1 U2.1 | length 2.3
  Top Layer w0.508: R5.1@41.656,-57.742 U2.1
NetR11_1: R11.1 U5.1 | length 8
  Top Layer w0.508: U5.1 56.485,-53.825 57.394,-52.916 R11.1
OUT1: DC1.2 U3.3 | length 14.8
  Top Layer w0.508: U3.3 61.371,-26.008 63.149,-24.23 DC1.2
OUT2: DC1.1 U3.8 | length 8.2
  Top Layer w0.508: U3.8@67.771,-27.742 67.771,-26.55 68.567,-25.754 72.059,-25.754 cw(c72.059,-27.278) DC1.1@73.583,-27.278
OUT3: DC1.4 U3.13 | length 9.1
  Top Layer w0.508: U3.13@67.771,-18.462 67.771,-19.658 68.787,-20.674 70.789,-20.674 71.997,-19.466 DC1.4@72.654,-19.466 ; DC1.4@72.654,-19.466 cw(c73.583,-20.674) DC1.4 73.267,-19.466 DC1.4@72.654,-19.466
OUT4: DC1.3 U3.18 | length 14.6
  Top Layer w0.508: U3.18 61.371,-19.656 ccw(c63.405,-19.656) 61.388,-19.912 63.165,-21.69 73.075,-21.69 ccw(c73.075,-21.182) DC1.3@73.583,-21.182
PGND: Q1.3 Q5.2 R8.1 RPU5.1 | length 10.5
  Top Layer w0.508: Q5.2 30.77,-46.82 30.832,-46.882 31.388,-46.882 31.834,-47.328 R8.1
  Top Layer w1.27: RPU5.1@27.94,-46.82 Q5.2@30.305,-46.82 ; Q1.3@29.962,-50.63 29.962,-47.598 ; Q5.2@30.47,-47.09 Q5.2
PULSADOR: C15.1 ESP1.14 PULSADOR.2 RPU8.2 | length 29.1
  Top Layer w0.508: PULSADOR.2@0,-31.834 0.154,-31.68 0.154,-30.156 1.016,-29.294 1.27,-29.294 1.524,-29.04 1.524,-28.786 C15.1 ; v1(17.262,-28.786) 17.262,-25.172 17.458,-24.976 ESP1.14
  Bottom Layer w0.508: PULSADOR.2 0.164,-31.66 0.164,-30.39 1.09,-29.464 16.584,-29.464 v1(17.262,-28.786)
RES: ESP1.8 RG2.1 | length 45.9
  Top Layer w0.508: ESP1.8 13.96,-17.356 9.398,-21.918 9.398,-37.084 14.732,-42.418 RG2.1
RXD0: ESP1.34 PROG1.1 | length 13.1
  Top Layer w0.508: ESP1.34 41.318,-13.546 43.6,-11.264 PROG1.1
RXD2: ESP1.27 I1.2 | length 7.2
  Top Layer w0.508: ESP1.27 39.868,-22.436 I1.2@41.838,-24.406
SCL: BME/P280.3 ESP1.36 | length 26.4
  Top Layer w0.508: BME/P280.3 29.454,-31.242 28.194,-29.982 28.194,-14.478 31.666,-11.006 ESP1.36
SDA: BME/P280.4 ESP1.33 | length 22.4
  Top Layer w0.508: BME/P280.4 31.994,-31.496 29.454,-28.956 29.454,-17.356 31.994,-14.816 ESP1.33
TRIAC1: ESP1.11 R3.2 | length 43.2
  Top Layer w0.508: ESP1.11 14.648,-21.166 12.7,-23.114 12.7,-34.036 16.764,-38.1 R3.2 R3.2@37.752,-38.1
TRIAC2: ESP1.9 R5.2 | length 69.9
  Top Layer w0.508: ESP1.9 14.178,-18.626 10.668,-22.135 10.668,-36.068 15.24,-40.64 38.852,-40.64 38.852,-57.14 39.243,-57.531 39.37,-57.531 39.624,-57.785 R5.2
TXD0: ESP1.35 PROG1.2 | length 10.1
  Top Layer w0.508: ESP1.35@35.424,-12.308 39.868,-12.308 41.138,-11.038 41.138,-7.306 ccw(c41.06,-7.306) PROG1.2
TXD2: ESP1.28 I1.3 | length 7.4
  Top Layer w0.508: ESP1.28 I1.3@42.916,-21.166
ULTRASONIDO: ESP1.16 R12.2 | length 70.7
  Top Layer w0.508: ESP1.16 22.047,-34.544 47.957,-34.544 50.8,-31.701 v1(50.8,-31.496) ; v1(50.8,-11.684) 53.34,-9.144 57.688,-9.144 58.704,-10.16 R12.2
  Bottom Layer w0.508: v1(50.8,-31.496) v1(50.8,-11.684)
ZERO_S: ESP1.10 R10.2 U5.5 | length 64.7
  Top Layer w0.508: ESP1.10 14.33,-19.896 11.938,-22.288 11.938,-35.306 16.256,-39.624 40.63,-39.624 R10.2@40.63,-51.392 ; R10.2@40.991,-51.285 U5.5
pads on no net: BME/P280. U1.3 U1.5 U2.3 U2.5 U5.3 U5.6
copper on no net: | length 610.1
  Top Layer w0.254: -3.048,-67 ccw(c-0.048,-67) -0.048,-70 ; -3.048,-67 ccw(c-0.048,-67) -0.048,-70 ; -3.048,-67 -3.048,0.048 ; -3.048,-67 -3.048,0.048 ; -3.048,0.048 cw(c-0.048,0.048) -0.048,3.048 ; -3.048,0.048 cw(c-0.048,0.048) -0.048,3.048 ; -0.048,-70 76,-70 ; -0.048,-70 76,-70 ; -0.048,3.048 76,3.048 ; -0.048,3.048 76,3.048 ; 76,-70 ccw(c76,-67) 79,-67 ; 76,-70 ccw(c76,-67) 79,-67 ; 76,3.048 cw(c76,0.048) 79,0.048 ; 76,3.048 cw(c76,0.048) 79,0.048 ; 79,-67 79,0.048 ; 79,-67 79,0.048

## Polygon pours and split planes (outlines as drawn)
GND on Top Layer "Top Layer-No Net" (solid, shelved, pour order 0): -3.048,-67 -3.048,0.048 cw(c-0.048,0.048) -0.048,3.048 76,3.048 cw(c76,0.048) 79,0.048 79,-67 cw(c76,-67) 76,-70 -0.048,-70 cw(c-0.048,-67)
GND on Bottom Layer "Bottom Layer-No Net" (solid, shelved, pour order 1): -3.048,-67 -3.048,0.048 cw(c-0.048,0.048) -0.048,3.048 76,3.048 cw(c76,0.048) 79,0.048 79,-67 cw(c76,-67) 76,-70 -0.048,-70 cw(c-0.048,-67)

## Other copper
Top Layer:
  pour cut-out: 79,-36 49.54,-36 ccw(c49.54,-38.54) 47,-38.54 47,-70 76.46,-70 ccw(c76.46,-67.46) 79,-67.46 79,-67
  text "GND" at 39.743,1.203 h1.02
  text "RST" at 48.337,-0.797 h1.02 r90
  text "HUM" at 73.609,-10.465 h1.02
  text "SPI" at 51.337,-16.797 h1.02 r90
  text "3" at 76.743,-19.658 h1.02
  text "4" at 76.743,-22.198 h1.02
  text "1" at 76.743,-24.738 h1.02
  text "2" at 76.743,-27.278 h1.02
  text "UART" at 40.743,-29.797 h1.02
  text "C1" at 75.54,-39.2 h1.02
  text "LED" at 1.219,-42.469 h1.02
  text "C1" at 75.54,-43.95 h1.02
  text "220" at 75.54,-49.106 h1.02
  text "GND" at -1.746,-50.286 h1.52 r180
  text "220" at 75.54,-54.287 h1.02
  text "24V" at 2.317,-58.778 h1.52
  text "C2" at 75.684,-59.508 h1.02
  text "C2" at 75.54,-64.6 h1.02
  text "RES" at 35.255,-65.329 h1.02
  text "INCUBA 1.3" at 5.254,-68.746 h1.52
Bottom Layer:
  pour cut-out: 79,-36 49.54,-36 ccw(c49.54,-38.54) 47,-38.54 47,-70 76.46,-70 ccw(c76.46,-67.46) 79,-67.46 79,-67
  text "FC1" at -2.601,-8.517 h1.02 r270
  text "FC2" at -2.601,-14.867 h1.02 r270
  text "VOLTEO" at 71.094,-18.337 h0.76 r90
  text "FC3" at -2.601,-20.963 h1.02 r270
  text "VENT" at 71.094,-24.179 h0.76 r90
  text "FC4" at -2.601,-27.059 h1.02 r270
  text "PULSA" at 9.449,-32.309 h1.02
  text "GND" at -0.772,-42.248 h1.52 r180
  text "24V" at 2.794,-56.642 h1.52

## Text inside footprints (layer, text, board x,y; h text height)
ESP1: Mechanical 13 "ANTENNA" at 20.492,-4.726 h1.78